# Altium PCB GameBoard_V1I1.PcbDoc (part 18 of 22) (continued)
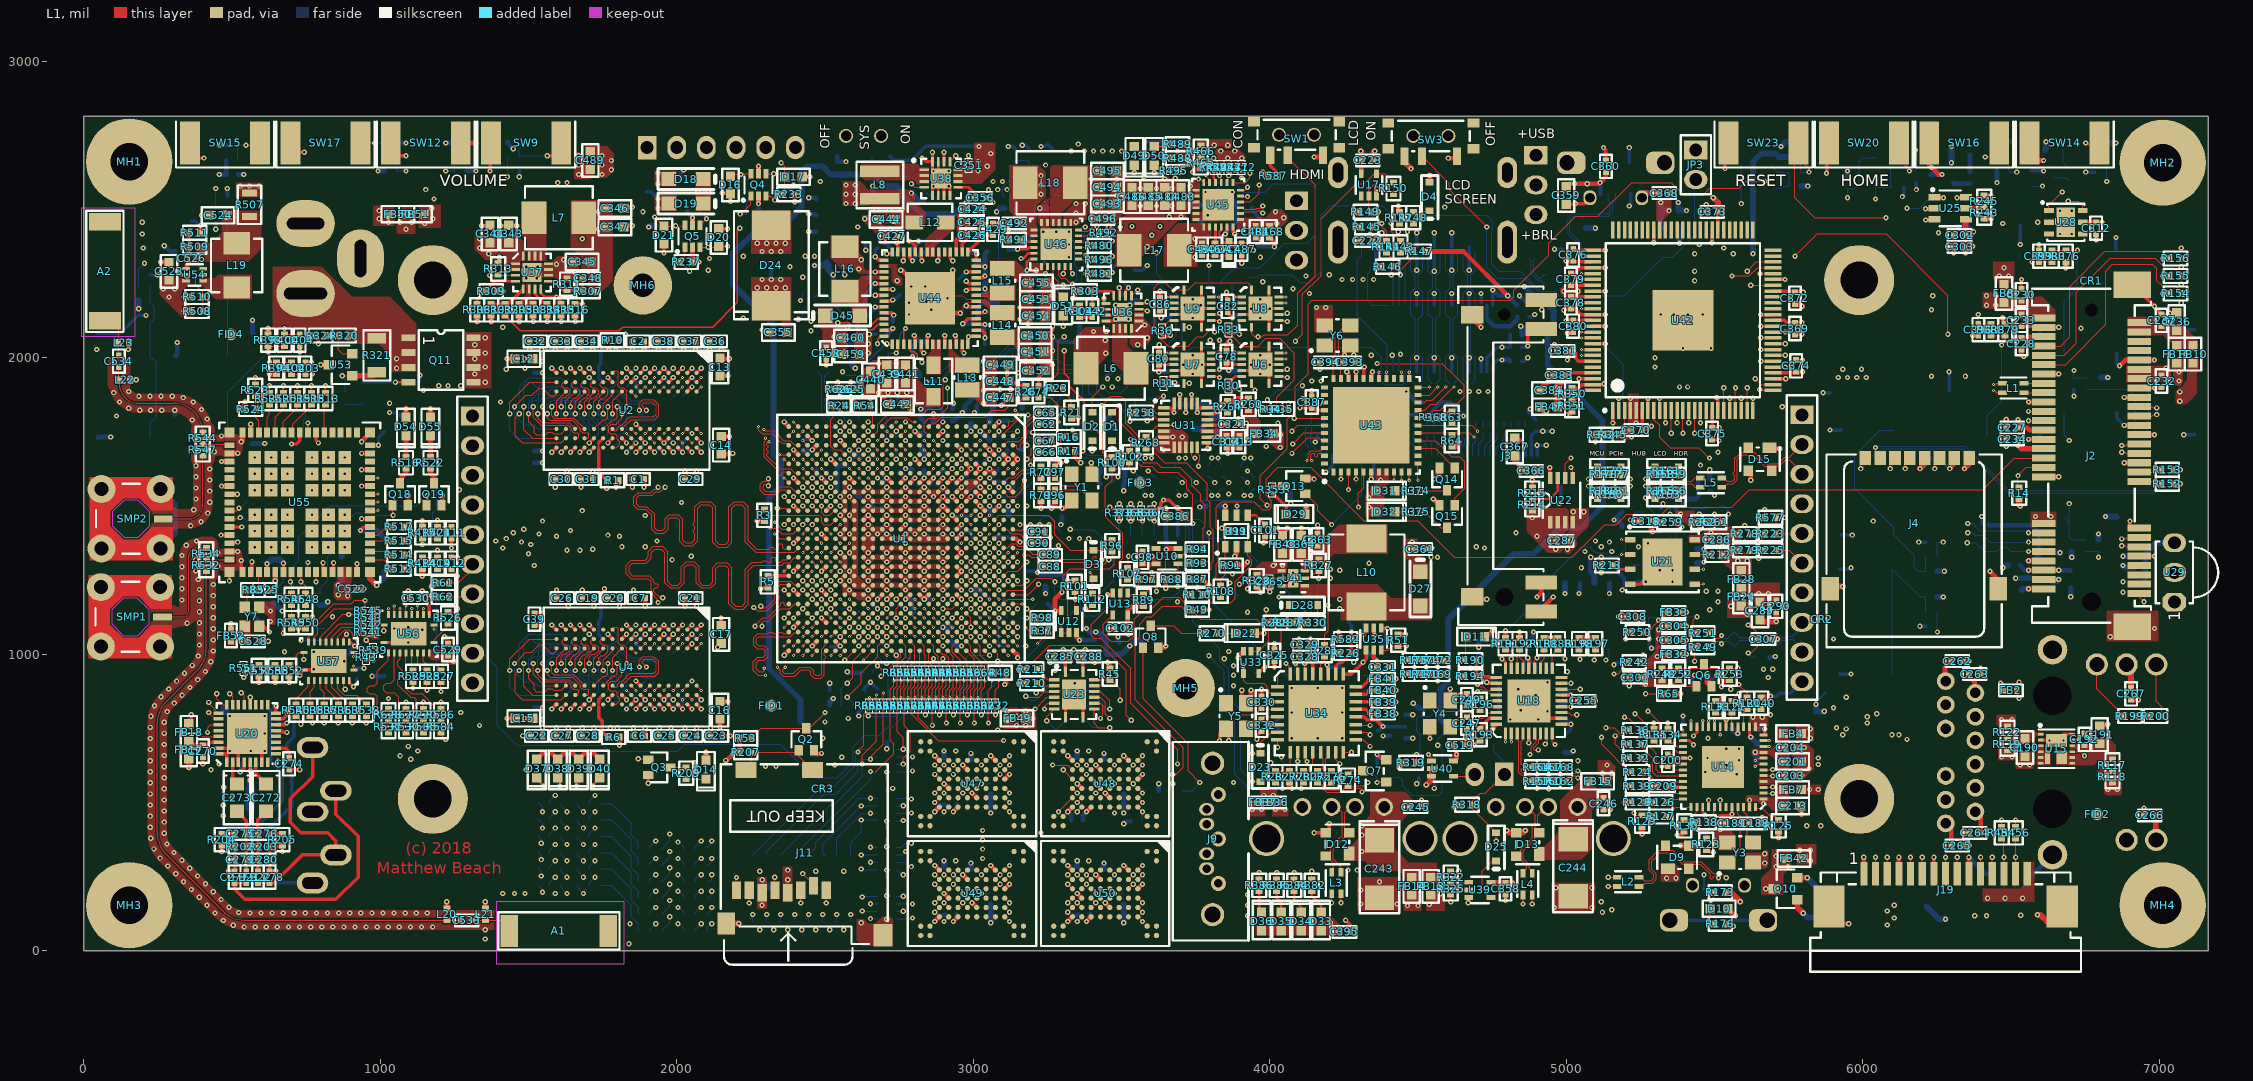
[diagram p0: L1 view]
## Nets (pads, with @x,y where several pads share a name; then routed paths per layer and width w, separated by ;. In a path a pad name is that pad's centre, name@x,y a point inside that pad or via, vN(x,y) a via of type N, cw(c..) or ccw(c..) an arc to the next point about the centre after c; other vN are vias at no path point) (continued)
SD1_CMD_WIFI: R570.1 R600.1 | length 473.4
  L3 w3.15: v1(1629.92,248.03) 1657.48,220.47 1795.28,220.47 1806.1,209.65 1865.16,209.65 1905.51,169.29 v1(1976.38,169.29)
  L12 w3.15: R570.1@1610.24,275.59 1610.24,267.72 v1(1629.92,248.03) ; R600.1@1948.82,122.05 1976.38,149.61 v1(1976.38,169.29)
SD1_DATA0: R591.2 R592.2 U1.A21 | length 1988.2
  L1 w3.15: U1.A21@3133.86,1137.8 v2(3149.61,1153.54)
  L10 w3.15: v1(1929.13,90.55) 1929.13,101.17 2055.12,227.15 2055.12,366.14 2094.49,405.51 2417.32,405.51 2610.24,598.43 2626.5,598.43 2651.11,623.03 2662.92,623.03 2676.18,636.29 2676.18,701.83 2759.84,785.49 2759.84,818.9 2818.9,877.95 3059.06,877.95 3122.05,940.94 3122.05,1065.74 3103.35,1084.44 3103.35,1096.67 3125.98,1119.3 3125.98,1129.92 v2(3149.61,1153.54)
  L12 w3.15: R591.2@1909.45,62.99 R591.2@1909.45,66.93 1909.45,70.87 v1(1929.13,90.55)
SD1_DATA0_BOOT: R221.1 R591.1 | length 226.5
  L12 w3.94: R221.1@1744.09,220.47 1779.53,220.47 1846.46,153.54 1846.46,114.17 1870.08,90.55 R591.1@1870.08,66.93
SD1_DATA0_WIFI: R562.1 R592.1 | length 475.9
  L3 w3.15: v1(1629.92,192.91) 1644.69,178.15 1700.79,178.15 1703.74,181.1 1838.58,181.1 1897.64,122.05 1968.5,122.05 v1(1976.38,114.17)
  L12 w3.15: R562.1@1610.24,220.47 1610.24,212.6 v1(1629.92,192.91) ; R592.1@1948.82,66.93 1976.38,94.49 v1(1976.38,114.17)
SD1_DATA1: R593.2 R594.2 U1.C20 | length 1986.8
  L1 w3.15: v2(3055.12,1153.54) U1.C20@3070.87,1169.29
  L10 w3.15: v1(1929.13,200.79) 1866.14,200.79 1858.27,208.66 1858.27,220.47 1866.14,228.35 1952.76,228.35 2035.43,311.02 2035.43,374.02 2090.55,429.13 2412.71,429.13 2610.39,626.81 2610.39,637.43 2633.86,660.9 2633.86,681.78 2736.22,784.14 2736.22,817.55 2816.31,897.64 3043.31,897.64 3105.32,959.65 3105.32,1060.04 3055.12,1110.23 v2(3055.12,1153.54)
  L12 w3.15: R593.2@1909.45,177.17 1909.45,185.04 v1@1929.13,204.72
SD1_DATA1_BOOT: R230.1 R593.1 | length 226.5
  L12 w3.94: R230.1@1744.09,330.71 1779.53,330.71 1846.46,263.78 1846.46,224.41 1870.08,200.79 R593.1@1870.08,177.17
SD1_DATA1_WIFI: R564.1 R594.1 | length 473.4
  L3 w3.15: v1(1629.92,303.15) 1657.48,275.59 1812.01,275.59 1837.6,250 1895.67,250 1914.37,231.3 1969.49,231.3 v1(1976.38,224.41)
  L12 w3.15: R564.1@1610.24,330.71 1610.24,322.83 v1(1629.92,303.15) ; R594.1@1948.82,177.17 1976.38,204.72 v1(1976.38,224.41)
SD1_DATA2: R595.2 R596.2 U1.E19 | length 1987.7
  L1 w3.15: U1.E19@3007.87,1200.79 v2(3023.62,1185.04)
  L10 w3.15: v1(1929.13,255.91) 1858.27,255.91 1850.39,263.78 1850.39,275.59 1858.27,283.46 1955.5,283.46 2023.62,351.59 2023.62,381.89 2082.68,440.94 2413.39,440.94 2602.52,630.08 2602.52,640.69 2625.98,664.16 2625.98,685.04 2724.41,783.46 2724.41,816.87 2813.05,905.51 3032.69,905.51 3097.44,970.26 3097.44,1056.78 3039.37,1114.85 3039.37,1169.29 v2(3023.62,1185.04)
  L12 w3.15: R595.2@1909.45,232.28 1909.45,240.16 v1@1929.13,259.84
SD1_DATA2_BOOT: R560.1 R595.1 | length 226.5
  L12 w3.94: R560.1@1744.09,385.83 1779.53,385.83 1846.46,318.9 1846.46,279.53 1870.08,255.91 R595.1@1870.08,232.28
SD1_DATA2_WIFI: R566.1 R596.1 | length 473.4
  L3 w3.15: v1(1629.92,358.27) 1657.48,330.71 1830.71,330.71 1874.02,287.4 1968.5,287.4 v1(1976.38,279.53)
  L12 w3.15: R566.1@1610.24,385.83 1610.24,377.95 v1(1629.92,358.27) ; R596.1@1948.82,232.28 1976.38,259.84 v1(1976.38,279.53)
SD1_DATA3: R597.2 R598.2 U1.F18 | length 1987.6
  L1 w3.15: v2(2960.63,1248.03) U1.F18@2976.38,1232.28
  L10 w3.15: v1(1929.13,370.08) 1834.65,370.08 1826.77,377.95 1826.77,389.76 1834.65,397.64 1956.69,397.64 1968.5,409.45 2000,409.45 2062.99,472.44 2402.25,472.44 2584.65,654.84 2584.65,683.07 2606.3,704.72 2615.16,704.72 2692.91,782.48 2692.91,814.96 2814.96,937.01 2968.5,937.01 3043.31,1011.81 3060.25,1011.81 3069.88,1021.44 3069.88,1036.42 3003.94,1102.36 3003.94,1120.86 2976.38,1148.41 2976.38,1221.67 2960.63,1237.41 v2(2960.63,1248.03)
  L12 w3.15: R597.2@1909.45,342.52 1909.45,350.39 v1(1929.13,370.08)
SD1_DATA3_BOOT: R580.1 R597.1 | length 226.5
  L12 w3.94: R580.1@1744.09,496.06 1779.53,496.06 1846.46,429.13 1846.46,389.76 1870.08,366.14 R597.1@1870.08,342.52
SD1_DATA3_WIFI: R568.1 R598.1 | length 475.8
  L3 w3.15: v1(1629.92,468.5) 1661,437.42 1896.24,437.42 1917.32,416.34 1953.74,416.34 v1(1976.38,393.7)
  L12 w3.15: R568.1@1610.24,496.06 1610.24,488.19 v1(1629.92,468.5) ; R598.1@1948.82,342.52 1976.38,370.08 v1(1976.38,393.7)
SD2_ACT: Q3.1 U1.T3 | length 4169.5
  L1 w3.15: v1(1870.08,647.64) 1899.61,647.64 Q3.1@1903.54,643.7 ; U1.T3@2661.42,1704.73 v3(2677.16,1688.98)
  L3 w3.15: v1(1266,1555) 1266,1572.58 1244.09,1594.49 1244.09,1849.04 1253.32,1858.27 1397.64,1858.27 v1(1405.51,1850.39) ; v1(2224.41,2133.86) 2235.24,2144.68 2451,2144.68 2467.52,2128.16 2467.52,2104.33 2492.13,2079.72 2492.13,2040.05 2523.31,2008.86 2578.95,2008.86 2617.13,1970.68 2617.13,1937.22 2603.35,1923.44 2603.35,1911.21 2629.92,1884.63 2629.92,1835.94 2661.42,1804.44 2661.42,1704.72 v4(2665.35,1700.79)
  L10 w3.15: v1(1266,1555) 1243.11,1532.11 1243.11,1458.66 1207.68,1423.23 1207.68,1152.56 1188.98,1133.86 1188.98,1028.91 1043.31,883.24 1043.31,818.9 1082.68,779.53 1227,779.53 1265.38,817.91 1287.87,817.91 1306.57,799.21 1334.65,799.21 1366.26,767.6 1366.26,742.3 1474.71,633.86 1543.31,633.86 1550.2,640.75 1717.36,640.75 1724.25,633.86 1856.3,633.86 v1(1870.08,647.64) ; v1(1405.51,1850.39) 1425.2,1850.39 1437.01,1862.2 1681.1,1862.2 1744.09,1925.2 1744.09,2051.18 1787.4,2094.49 2212.6,2094.49 2224.41,2106.3 v1(2224.41,2133.86)
  L2 w3.15: v4(2665.35,1700.79) v3(2677.16,1688.98)
SD2_BT_EN: R621.1 R624.1 | length 2726.7
  L3 w3.15: v1(838.58,1125.98) 857.59,1125.98 925.2,1193.59 925.2,1240.16 960.63,1275.59 960.63,1346.46 918.31,1388.78 918.31,1630.91 979.33,1691.93 979.33,1711.4 1051.18,1783.25 1051.18,1885.83 1065.75,1900.39 1065.75,1947.64 1133.86,2015.75 1290.35,2015.75 1303.15,2028.54 1336.82,2028.54 1350.39,2042.11 1377.74,2042.11 1442.91,2107.28 1693.9,2107.28 1711.61,2125 2151.27,2125 2173.9,2102.36 2255.91,2102.36 2262.8,2109.25 2343.7,2109.25 2500.19,1952.76 v1(2559.06,1952.76)
  L12 w3.15: R624.1@814.96,1125.98 v1(838.58,1125.98) ; v1(2559.06,1952.76) 2570.87,1940.94 2618.11,1940.94 R621.1@2641.73,1917.32
SD2_CD: Q2.3 R53.1 U1.R6 | length 1290.6
  L1 w3.15: R53.1@2251.97,716.54 2285.43,750 Q2.3@2437.01,750 2446.85,750 v1(2500,803.15) ; U1.R6@2692.91,1610.24 v2(2708.66,1625.98)
  L10 w3.15: v1(2500,803.15) 2521.39,824.54 2529.27,824.54 2550.66,845.94 2550.66,862.2 2565.43,876.97 2573.82,876.97 2625.92,929.07 2625.92,965.69 2703.53,1043.31 2716.54,1043.31 2732.28,1059.06 2732.28,1090.55 2756.89,1115.16 2756.89,1159.66 2756.89,1200.32 2751.97,1205.24 2751.97,1613.48 2739.47,1625.98 v2(2708.66,1625.98)
SD2_CDn: J11.9 J11.10 Q2.1 R207.1 | length 314.8
  L1 w3.15: J11.10@2233.27,609.25 2251.97,627.95 R207.1@2251.97,669.29 2405.51,669.29 Q2.1@2411.42,675.2 2411.42,655.51 J11.9@2457.68,609.25
SD2_CLK: R56.2 R613.2 R614.2 | length 1971.6
  L10 w3.15: v1(2082.68,311.02) 2082.68,312.22 2097.23,326.77 2375.98,326.77 2381.89,332.68 2381.89,366.14 2387.8,372.05 2399.61,372.05 2405.51,366.14 2405.51,312.99 2411.42,307.09 2423.23,307.09 2461.18,345.04 2479.58,345.04 2487.93,353.39 2487.93,361.74 2487.83,361.84 2450.33,399.34 2450.33,407.7 2458.68,416.05 2467.03,416.05 2504.53,378.55 2504.63,378.45 2512.98,378.45 2521.33,386.8 2521.33,395.15 2521.23,395.25 2483.73,432.75 2483.73,441.1 2492.08,449.45 2500.44,449.45 2537.94,411.95 2538.04,411.85 2546.39,411.85 2554.74,420.2 2554.74,428.56 2554.76,460.27 2554.76,499.64 2618.11,562.99 2657.48,562.99 2676.18,581.69 2676.18,614.02 2693.9,631.74 2693.9,687.22 2704.72,698.04 2709.86,698.04 2787.4,775.59 2787.4,814.96 2818.9,846.46 3070.87,846.46 3082.68,858.27 3102.36,858.27 3129.92,885.83 3129.92,916.34 3145.67,932.09 3157.69,932.09 3177.17,951.56 v2(3177.17,1027.56)
  L12 w3.15: R613.2@2062.99,287.4 2062.99,295.28 v1@2082.68,314.96 ; R56.2@3153.54,1027.56 v2(3177.17,1027.56)
SD2_CLK_BOOT: R613.1 R619.1 | length 543.6
  L3 w3.15: v1(1685.04,413.39) 1700.79,397.64 1864.17,397.64 1907.48,354.33 1981.51,354.33 2010.05,325.79 2103.35,325.79 v1(2118.11,311.02)
  L12 w3.15: R619.1@1665.35,440.95 1665.35,433.07 v1(1685.04,413.39) ; R613.1@2102.36,287.4 2106.3,287.4 2118.11,299.21 v1(2118.11,311.02)
SD2_CLK_R: R56.1 U1.C21 | length 137.4
  L1 w3.15: U1.C21@3070.87,1137.8 v2(3086.61,1122.05)
  L12 w3.15: v2(3086.61,1122.05) 3086.61,1039.37 3098.43,1027.56 R56.1@3114.17,1027.56
SD2_CLK_WIFI: R573.1 R614.1 | length 572.8
  L3 w3.15: v1(1547.24,413.39) 1586.61,374.02 1845.47,374.02 1884.84,334.65 1952.76,334.65 1968.5,318.9 1996.06,318.9 v1(2003.94,311.02)
  L12 w3.15: R573.1@1531.5,444.88 1547.24,429.13 v1(1547.24,413.39) ; v1@2003.94,314.96 2023.62,295.28 R614.1@2023.62,287.4
SD2_CMD: R52.1 R55.2 R611.2 R612.2 | length 1908.7
  L10 w3.15: v1(2082.68,145.67) 2098.43,161.42 2129.82,161.42 2136.71,154.53 2180.02,154.53 2187.99,162.5 2199.8,162.5 2205.71,156.6 2205.71,141.73 2211.61,135.83 2223.42,135.83 2229.33,141.73 2229.33,166.35 2249,186.02 2289.58,186.02 2357.1,253.54 2376.78,253.54 2398.83,275.59 2452.76,275.59 2607.28,430.12 2607.28,452.55 2646.86,492.13 2657.48,492.13 2673.23,507.87 2673.23,524.14 2723.43,574.34 2723.43,636.81 2740.68,654.06 2740.68,688.12 2815.94,763.39 2815.94,804.65 2830.19,818.9 3083.39,818.9 3095.2,830.71 3117.59,830.71 3177.17,890.28 3177.17,908.77 3208.66,940.27 3208.66,1071.54 3181.1,1099.1 v2(3181.1,1122.05)
  L12 w3.15: R611.2@2062.99,122.05 2062.99,129.92 v1@2082.68,149.61 ; R55.2@3153.54,1122.05 v2(3181.1,1122.05) R52.1@3213.07,1122.05
SD2_CMD_BOOT: R611.1 R617.1 | length 541.3
  L3 w3.15: v1(1685.04,248.03) 1700.79,232.28 1803.15,232.28 1816.93,218.5 1872.05,218.5 1906.5,184.06 1982.49,184.06 1997.26,169.29 2094.49,169.29 v1(2118.11,145.67)
  L12 w3.15: R617.1@1665.35,275.59 1665.35,267.72 v1(1685.04,248.03) ; R611.1@2102.36,122.05 2118.11,137.8 v1(2118.11,145.67)
SD2_CMD_R: R55.1 U1.F19 | length 195.4
  L1 w3.15: U1.F19@2976.38,1200.79 v2(2992.13,1185.04)
  L12 w3.15: v2(2992.13,1185.04) 3007.87,1169.29 3007.87,1137.8 3015.75,1129.92 3062.99,1129.92 3070.87,1137.8 3098.43,1137.8 R55.1@3114.17,1122.05
SD2_CMD_WIFI: R571.1 R612.1 | length 572.8
  L3 w3.15: v1(1543.31,251.97) 1584.65,210.63 1702.76,210.63 1712.6,200.79 1853.66,200.79 1894.01,160.43 1935.25,160.43 1950.01,145.67 v1(2003.94,145.67)
  L12 w3.15: R571.1@1531.5,279.53 1543.31,267.72 v1(1543.31,251.97) ; v1@2003.94,149.61 2023.62,129.92 R612.1@2023.62,122.05
SD2_DATA0: R603.2 R604.2 U1.A22 | length 2120
  L1 w3.15: U1.A22@3133.86,1106.3 v2(3149.61,1090.55)
  L10 w3.15: v1(2082.68,90.55) 2098.43,106.3 2216.54,106.3 2278.54,168.31 2298.23,168.31 2340.55,210.63 2421.26,210.63 2429.13,218.5 2429.13,232.28 2437.01,240.16 2452.76,240.16 2460.63,232.28 2460.63,216.54 2468.5,208.66 2507.03,208.66 2546.82,248.45 2546.82,264.03 2538.95,271.91 2506.78,271.91 2499.58,279.1 2499.58,290.92 2507.45,298.79 2523.2,298.79 2636.81,412.4 2636.81,468.01 2647.43,478.62 2663.66,478.62 2712.6,527.56 2712.6,552.38 2732.28,572.06 2732.28,632.57 2749.02,649.3 2749.02,685.33 2823.82,760.13 2823.82,801.39 2833.45,811.02 3087.6,811.02 3099.41,822.83 3120.85,822.83 3185.04,887.02 3185.04,905.51 3216.54,937.01 3216.54,1074.8 3196.85,1094.49 3196.85,1129.92 3188.98,1137.8 3173.23,1137.8 3165.35,1129.92 3165.35,1106.3 v2(3149.61,1090.55)
  L12 w3.15: R603.2@2062.99,62.99 R603.2@2062.99,66.93 2062.99,70.87 v1(2082.68,90.55)
SD2_DATA0_BOOT: R229.1 R603.1 | length 543.6
  L3 w3.15: v1(1685.04,192.91) 1846.46,192.91 1908.46,130.91 2077.76,130.91 v1(2118.11,90.55)
  L12 w3.15: R229.1@1665.35,220.47 1665.35,212.6 v1(1685.04,192.91) ; R603.1@2102.36,66.93 2102.36,78.74 2114.17,90.55 v1(2118.11,90.55)
SD2_DATA0_WIFI: R563.1 R604.1 | length 566.6
  L3 w3.15: v1(1547.24,196.85) 1573.82,170.28 1837.6,170.28 1893.7,114.17 1944.88,114.17 1968.5,90.55 v1(2003.94,90.55)
  L12 w3.15: R563.1@1531.5,220.47 1547.24,204.72 v1(1547.24,196.85) ; v1@2003.94,94.49 2023.62,74.8 R604.1@2023.62,66.93
SD2_DATA1: R605.2 R606.2 U1.E20 | length 2121.3
  L1 w3.15: v2(2992.13,1153.54) U1.E20@3007.87,1169.29
  L10 w3.15: v1(2082.68,200.79) 2097.44,215.55 2285.64,215.55 2311.02,240.93 2311.02,259.84 2338.58,287.4 2448.82,287.4 2594.49,433.07 2594.49,496.06 2633.86,535.43 2665.35,535.43 2693.9,563.98 2693.9,608.48 2715.55,630.13 2715.55,644.68 2732.8,661.94 2732.8,691.39 2808.07,766.65 2808.07,807.91 2826.93,826.77 3080.13,826.77 3091.94,838.58 3111.43,838.58 3169.29,896.44 3169.29,912.03 3200.79,943.53 3200.79,1059.06 3185.04,1074.8 3144.48,1074.8 3134.84,1084.44 3134.84,1115.16 3165.35,1145.67 3165.35,1161.3 3158.34,1168.31 3063.98,1168.31 3031.5,1200.79 3015.75,1200.79 3007.87,1192.91 3007.87,1169.29 v2(2992.13,1153.54)
  L12 w3.15: R605.2@2062.99,177.17 2062.99,185.04 v1@2082.68,204.72
SD2_DATA1_BOOT: R559.1 R605.1 | length 543.6
  L3 w3.15: v1(1685.04,303.15) 1700.79,287.4 1814.96,287.4 1842.52,259.84 1904.32,259.84 1924.99,239.17 1982.49,239.17 2006.12,215.55 2103.35,215.55 v1(2118.11,200.79)
  L12 w3.15: R559.1@1665.35,330.71 1665.35,322.83 v1(1685.04,303.15) ; R605.1@2102.36,177.17 2106.3,177.17 2118.11,188.98 v1(2118.11,200.79)
SD2_DATA1_WIFI: R565.1 R606.1 | length 573.2
  L3 w3.15: v1(1543.31,307.09) 1586.92,263.47 1586.92,262.8 1806.1,262.8 1832.68,236.22 1885.83,236.22 1898.62,223.42 1953.74,223.42 1976.38,200.79 v1(2003.94,200.79)
  L12 w3.15: R565.1@1531.5,334.65 1543.31,322.83 v1(1543.31,307.09) ; v1@2003.94,204.72 2023.62,185.04 R606.1@2023.62,177.17
SD2_DATA2: R607.2 R608.2 U1.A23 | length 2117.3
  L1 w3.15: U1.A23@3133.86,1074.8 v2(3149.61,1059.06)
  L10 w3.15: v1(2082.68,255.91) 2098.43,271.65 2104.33,271.65 2110.24,277.56 2110.24,290.36 2116.14,296.26 2127.95,296.26 2133.86,290.36 2133.86,229.33 2139.76,223.42 2151.57,223.42 2157.48,229.33 2157.48,312.99 2163.39,318.9 2175.2,318.9 2181.1,312.99 2181.1,277.56 2187.01,271.65 2197.62,271.65 2203.53,277.56 2203.53,312.99 2209.44,318.9 2221.25,318.9 2227.15,312.99 2227.15,229.33 2233.06,223.42 2244.87,223.42 2250.77,229.33 2250.77,265.75 2284.24,299.21 2444.88,299.21 2578.74,433.07 2578.74,503.94 2625.98,551.18 2665.35,551.18 2686.02,571.85 2686.02,611.74 2707.68,633.39 2707.68,651.88 2724.41,668.62 2724.41,694.13 2800.2,769.92 2800.2,811.18 2823.67,834.65 3076.87,834.65 3088.68,846.46 3108.17,846.46 3138.78,877.07 3138.78,907.69 3147.43,916.34 3160.43,916.34 3192.91,948.82 3192.91,1047.24 3181.1,1059.06 v2(3149.61,1059.06)
  L12 w3.15: R607.2@2062.99,232.28 2062.99,240.16 v1@2082.68,259.84
SD2_DATA2_BOOT: R561.1 R607.1 | length 545.9
  L3 w3.15: v1(1685.04,358.27) 1700.79,342.52 1835.63,342.52 1881.89,296.26 1984.46,296.26 2010.05,270.67 2103.35,270.67 v1(2118.11,255.91)
  L12 w3.15: R561.1@1665.35,385.83 1665.35,377.95 v1(1685.04,358.27) ; R607.1@2102.36,232.28 2110.24,232.28 2118.11,240.16 v1(2118.11,255.91)
SD2_DATA2_WIFI: R567.1 R608.1 | length 572.8
  L3 w3.15: v1(1543.31,362.2) 1586.61,318.9 1822.83,318.9 1862.2,279.53 1944.88,279.53 1968.5,255.91 v1(2003.94,255.91)
  L12 w3.15: R567.1@1531.5,389.76 1543.31,377.95 v1(1543.31,362.2) ; v1@2003.94,259.84 2023.62,240.16 R608.1@2023.62,232.28
SD2_DATA3: R609.2 R610.2 U1.B22 | length 2122.2
  L1 w3.15: U1.B22@3102.36,1106.3 v2(3118.11,1090.55)
  L10 w3.15: v1(2082.68,370.08) 2097.23,370.08 2124.79,397.64 2142.51,397.64 2148.41,391.73 2148.41,343.14 2154.32,337.23 2166.13,337.23 2172.03,343.14 2172.03,389.15 2177.94,395.05 2189.75,395.05 2195.66,389.15 2195.66,343.14 2201.56,337.23 2213.37,337.23 2219.28,343.14 2219.28,389.15 2225.18,395.05 2236.99,395.05 2242.9,389.15 2242.9,343.14 2248.81,337.23 2260.62,337.23 2266.52,343.14 2266.52,389.15 2272.43,395.05 2284.24,395.05 2290.14,389.15 2290.14,343.14 2296.05,337.23 2307.86,337.23 2313.77,343.14 2313.77,389.15 2319.67,395.05 2331.48,395.05 2337.39,389.15 2337.39,343.14 2343.29,337.23 2355.1,337.23 2361.01,343.14 2361.01,379.92 2366.92,385.83 2417.32,385.83 2606.3,574.8 2644.97,574.8 2668.31,598.14 2668.31,617.28 2686.02,635 2686.02,693.9 2775.59,783.46 2775.59,818.9 2814.96,858.27 3062.99,858.27 3078.74,874.02 3103.56,874.02 3121.06,891.52 3121.06,924.21 3134.98,938.13 3134.98,952.68 3164.37,982.07 3164.37,1019.48 3134.84,1049 3134.84,1073.3 3118.11,1090.03 v2(3118.11,1090.55)
  L12 w3.15: R609.2@2062.99,342.52 2062.99,350.39 v1(2082.68,370.08)
SD2_DATA3_BOOT: R609.1 R615.1 | length 539.7
  L3 w3.15: v1(1685.04,468.5) 1708.25,445.3 2042.89,445.3 v1(2118.11,370.08)
  L12 w3.15: R615.1@1665.35,496.06 1665.35,488.19 v1(1685.04,468.5) ; R609.1@2102.36,346.46 2118.11,362.2 v1(2118.11,370.08)
SD2_DATA3_WIFI: R569.1 R610.1 | length 572.8
  L3 w3.15: v1(1547.24,468.5) 1586.2,429.55 1879.51,429.55 1906.5,402.56 1938.77,402.56 1967.31,374.02 1996.06,374.02 v1(2003.94,366.14)
  L12 w3.15: R569.1@1531.5,500 1547.24,484.25 v1(1547.24,468.5) ; v1@2003.94,370.08 2023.62,350.39 R610.1@2023.62,342.52
SD2_WP: R54.1 R620.2 R621.2 U1.T1 | length 164.3
  L1 w3.15: v1(2653.54,1862.2) R54.1@2653.54,1838.58 2653.54,1818.22 2661.42,1810.35 U1.T1@2661.42,1767.72
  L12 w3.15: v1(2653.54,1862.2) 2653.54,1889.76 R620.2@2681.1,1917.32
SD2_WP_BOOT: R208.2 R620.1 R622.1 | length 98.7
  L12 w3.15: R620.1@2720.47,1917.32 2771.65,1917.32 2791.34,1897.64 R208.2@2811.02,1897.64
SEL: SW1.2 U6.7 U7.7 U8.7 U9.7 | length 1648.4
  L1 w3.15: U7.7@3710.63,1913.39 v1(3728.35,1913.39) ; U9.7@3710.63,2102.36 v1(3728.35,2102.36) ; U6.7@3938.98,1913.39 3938.98,1902.35 v1(3950.58,1890.75) ; U8.7@3938.98,2102.36 3938.98,2080.71 3948.82,2070.87 v1(3960.63,2070.87) 3973.43,2070.87 3979.33,2076.77 4061.02,2076.77 4094.49,2110.24 4094.49,2217.21 4153.54,2276.27 4153.54,2582.68 4061.02,2675.2 SW1.2@4061.02,2683.07
  L10 w3.15: v1(3950.58,1890.75) 3937.78,1877.95 3889.76,1877.95 3854.33,1913.39 v1(3728.35,1913.39) 3708.66,1933.07 3708.66,1952.76 3692.91,1968.5 3692.91,2066.93 v1(3728.35,2102.36) 3751.97,2102.36 3775.59,2078.74 3775.59,2055.12 3799.21,2031.5 3921.26,2031.5 v1(3960.63,2070.87)
SEL_L1: C415.1 R424.1 U43.27 | length 3408.4
  L1 w3.15: U43.27@4368.11,1929.13 v3(4368.11,1950.79)
  L3 w3.15: v4(4368.11,1933.07) 4377,1933.07 4392.75,1948.82 4491.45,1948.82 4540.27,1900 4586.02,1900 4591.02,1905 4591.02,1921.02 4617.83,1947.83 4761.9,1947.83 4768.79,1940.94 5031.29,1940.94 5037.19,1946.85 5074.71,1946.85 5128.84,2000.98 5151.05,2000.98 5268.18,2118.11 5460.32,2118.11 5545.95,2203.74 5813.92,2203.74 5907.42,2110.24 6110.24,2110.24 6208.66,2208.66 v1(6236.22,2208.66)
  L10 w3.15: v1(6236.22,2208.66) 6261.87,2183.01 6261.87,2057.03 6308.07,2010.83 6308.07,1130.91 v1(6251.97,1074.8)
  L2 w3.15: v4(4368.11,1933.07) v3(4368.11,1950.79)
  L12 w3.15: v1(6251.97,1074.8) C415.1@6251.97,1094.49 R424.1@6251.97,1141.73
SEL_L2: C414.1 R428.1 U43.26 | length 2998.8
  L1 w3.15: U43.26@4393.7,1929.13 v3(4393.7,1950.79)
  L3 w3.15: v4(4393.7,1933.07) 4401.57,1940.94 4488.19,1940.94 4539.13,1890 4606.54,1890 4621.45,1904.91 4621.45,1918.28 4635.26,1932.09 4755.38,1932.09 4762.27,1925.2 4898.2,1925.2 4924.77,1898.62 5048.75,1898.62 5135.37,1985.24 5157.57,1985.24 5274.7,2102.36 5515.75,2102.36 5601.38,2187.99 5807.4,2187.99 5906.19,2089.2 6131.27,2089.2 6203.49,2161.42 v1(6232.28,2161.42)
  L10 w3.15: v1(6232.28,2161.42) 6232.28,2043.31 6271.65,2003.94 v1(6271.65,1377.95)
  L2 w3.15: v4(4393.7,1933.07) v3(4393.7,1950.79)
  L12 w3.15: R428.1@6251.97,1330.71 C414.1@6251.97,1377.95 v1(6271.65,1377.95)
SEL_R1: C412.1 R419.1 U43.23 | length 7174.5
  L1 w3.15: R419.1@1192.91,1287.4 C412.1@1240.16,1287.4 1259.84,1267.72 v1(1259.84,1263.78) ; U43.23@4470.47,1929.13 v3(4470.47,1950.79)
  L3 w3.15: v1(1153.54,2566.93) 1496.06,2566.93 1515.75,2547.24 1807.09,2547.24 1826.77,2566.93 1944.88,2566.93 1976.38,2598.43 2191.56,2598.43 2211.25,2578.74 2347.19,2578.74 2365.89,2560.04 2404.43,2560.04 2419.19,2574.8 2530.98,2574.8 2558.54,2602.36 2688.98,2602.36 2750.98,2540.35 2797.45,2540.35 2803.36,2546.26 3161.21,2546.26 3218.29,2489.17 3237.98,2489.17 3316.72,2410.43 3337.6,2410.43 3346.46,2401.57 3429.13,2401.57 3451.77,2424.21 3547.24,2424.21 3560.04,2437.01 3605.31,2437.01 3614.17,2428.15 3699.8,2428.15 3892.72,2621.06 3913.18,2621.06 3926.96,2607.28 3984.25,2607.28 4002.95,2625.98 4125.98,2625.98 4200.79,2700.79 4271.14,2700.79 4310.51,2661.42 4370.6,2661.42 4408.98,2623.03 4482.49,2623.03 4493.32,2633.86 4625.98,2633.86 4720.47,2539.37 4947.83,2539.37 4975.39,2511.81 4975.39,2485.24 5059.06,2401.57 5137.8,2401.57 5185.04,2354.33 5185.04,2068.38 5141.27,2024.61 5119.06,2024.61 5064.93,1970.47 5027.41,1970.47 5021.5,1964.57 4778.58,1964.57 4771.69,1971.46 4500,1971.46 4497.05,1968.5 v4(4470.47,1968.5) ; v1(1196.85,1905.51) 1196.85,1897.64 1149.61,1850.39 1149.61,1811.02 1180.83,1779.8 1180.83,1566.93 1192.91,1554.84 1192.91,1481.57 1178.15,1466.81 1178.15,1424.21 1216.54,1385.83 1216.54,1307.09 v1(1259.84,1263.78)
  L10 w3.15: v1(1153.54,2566.93) 1153.54,2502.74 1167.11,2489.17 1177.38,2489.17 1330.71,2335.84 1330.71,2177.17 1196.85,2043.31 v1(1196.85,1905.51)
  L2 w3.15: v3(4470.47,1950.79) v4(4470.47,1968.5)
SEL_R2: C411.1 R421.1 U43.24 | length 6799.4
  L1 w3.15: v1(1192.91,1452.76) R421.1@1192.91,1429.13 C411.1@1240.16,1429.13 ; U43.24@4444.88,1929.13 v3(4444.88,1950.79)
  L3 w3.15: v1(1181.1,2535.43) 1822.83,2535.43 1842.52,2555.12 1965.55,2555.12 1981.3,2570.87 2024.3,2570.87 2042.01,2588.58 2190.27,2588.58 2207.99,2570.87 2343.93,2570.87 2362.63,2552.17 2407.69,2552.17 2422.45,2566.93 2652.35,2566.93 2655.3,2563.98 2701.83,2563.98 2745.14,2520.67 2875,2520.67 2919.29,2476.38 3207.47,2476.38 3286.21,2397.64 3329.72,2397.64 3338.79,2388.57 3427.26,2388.57 3455.03,2416.34 3512.8,2416.34 3530.51,2398.62 3686.02,2398.62 3744.09,2456.69 3807.09,2456.69 3889.76,2539.37 3889.76,2560.25 3928.92,2599.41 3987.51,2599.41 4002.28,2614.17 4137.8,2614.17 4203.74,2548.23 4304.13,2548.23 4342.52,2586.61 4645.67,2586.61 4704.72,2527.56 4937.01,2527.56 4960.63,2503.94 4960.63,2480.99 5059.73,2381.89 5133.08,2381.89 5169.29,2345.68 5169.29,2063.77 5138.01,2032.48 5115.8,2032.48 5061.66,1978.35 5024.15,1978.35 5018.24,1972.44 4781.84,1972.44 4774.95,1979.33 4500.67,1979.33 4495.75,1984.25 4460.63,1984.25 v4(4444.88,1968.5) ; v1(1192.91,1452.76) 1223.43,1483.27 1223.43,1541.55 1196.85,1568.12 1196.85,1874.02 v1(1228.35,1905.51)
  L10 w3.15: v1(1181.1,2535.43) 1212.74,2503.8 1212.74,2491.99 1319.88,2384.84 1340.76,2384.84 1349.41,2376.19 1349.41,2165.56 1311.02,2127.18 1311.02,2110.24 1228.35,2027.56 v1(1228.35,1905.51)
  L2 w3.15: v3(4444.88,1950.79) v4(4444.88,1968.5)
SENSE_1V5: R90.1 R95.2 U11.5 | length 114.9
  L1 w3.15: U11.5@3887.8,1468.5 3889.76,1470.47 v1(3889.76,1500)
  L12 w3.15: R90.1@3870.08,1464.57 3889.76,1484.25 v1@3889.76,1492.13 ; v1(3889.76,1500) v1@3889.76,1492.13 ; R95.2@3917.32,1464.57 v1@3889.76,1492.13
SLOW_CLK: R525.1 U57.1 | length 417.1
  L1 w3.15: R525.1@629.92,1216.54 637.8,1216.54 v1(669.29,1185.04) ; v3(909.45,992.13) 911.42,994.09 U57.1@911.42,1005.91
  L3 w3.15: v1(669.29,1185.04) 688.98,1165.35 785.43,1165.35 809.05,1141.73 809.05,1090.55 v4(895.67,1003.94)
  L2 w3.15: v4(895.67,1003.94) 897.64,1003.94 v3(909.45,992.13)
SPLIT: C307.1 R241.1 R244.2 R246.2 | length 250.4
  L1 w3.15: v1(5614.17,1003.94) 5622.05,1003.94 5645.67,1027.56 5645.67,1047.24 5645.67,1070.87 5618.11,1098.43 v1(5614.17,1098.43)
  L12 w3.15: v1(5614.17,1003.94) 5625.98,992.13 R241.1@5641.73,992.13 ; v1(5614.17,1098.43) 5625.98,1110.24 R246.2@5641.73,1110.24 5677.17,1145.67 R244.2@5677.17,1153.54
SPLIT_R: R244.1 U26.5 | length 86.7
  L12 w3.15: U26.5@5566.93,1126.18 5566.93,1133.86 5586.61,1153.54 R244.1@5637.8,1153.54
SRC_BOOT_CFG_00: R642.1 U1.L20 | length 394.6
  L1 w3.15: R642.1@2767.72,837.2 2767.72,881.89 2779.53,893.7 v3(2779.53,909.45) ; v3(2803.15,1185.04) U1.L20@2818.9,1169.29
  L3 w3.15: v4(2779.53,930.51) 2811.02,962.01 2811.02,1169.29 v4(2814.96,1173.23)
  L2 w3.15: v3(2779.53,909.45) v4(2779.53,930.51) ; v3(2803.15,1185.04) v4(2814.96,1173.23)
SRC_BOOT_CFG_01: R643.1 U1.J25 | length 87.6
  L1 w3.15: U1.J25@2881.89,1011.81 2894.69,999.02 2903.75,999.02 2917.32,985.45 2917.32,968.5 2909.45,960.63 R643.1@2909.45,947.44
SRC_BOOT_CFG_02: R644.1 U1.L21 | length 328.3
  L1 w3.15: U1.L21@2818.9,1137.8 v3(2834.65,1122.05) ; R644.1@2838.58,837.2 2838.58,881.89 2850.39,893.7 v3(2850.39,909.45)
  L3 w3.15: v4(2846.46,1110.24) 2834.65,1098.43 2834.65,1022.95 2834.65,969.85 2834.65,957.24 2850.39,941.5 v4(2850.39,930.51)
  L2 w3.15: v3(2834.65,1122.05) v4(2846.46,1110.24) ; v3(2850.39,909.45) v4(2850.39,930.51)
SRC_BOOT_CFG_03: R645.1 U1.K24 | length 110.5
  L1 w3.15: U1.K24@2850.39,1043.31 2866.14,1027.56 2866.14,1007.18 2881.89,991.43 2881.89,972.44 2885.83,968.5 R645.1@2885.83,947.44
SRC_BOOT_CFG_04: R646.1 U1.L22 | length 313.1
  L1 w3.15: U1.L22@2818.9,1106.3 v3(2834.65,1090.55) ; R646.1@2885.83,837.2 2885.83,881.89 2897.64,893.7 v3(2897.64,909.45)
  L3 w3.15: v4(2846.46,1078.74) 2858.27,1066.93 2858.27,1003.94 2850.39,996.06 2850.39,977.76 v4(2897.64,930.51)
  L2 w3.15: v3(2834.65,1090.55) v4(2846.46,1078.74) ; v3(2897.64,909.45) v4(2897.64,930.51)
SRC_BOOT_CFG_05: R647.1 U1.L23 | length 268.6
  L1 w3.15: U1.L23@2818.9,1074.8 v3(2834.65,1059.06) ; R647.1@2862.2,837.2 2862.2,881.89 2874.02,893.7 v3(2874.02,909.45)
  L3 w3.15: v4(2846.46,1047.24) 2846.46,1023.62 2842.52,1019.68 2842.52,962.01 v4(2874.02,930.51)
  L2 w3.15: v3(2834.65,1059.06) v4(2846.46,1047.24) ; v3(2874.02,909.45) v4(2874.02,930.51)
SRC_BOOT_CFG_06: R648.1 U1.K25 | length 69.3
  L1 w3.15: U1.K25@2850.39,1011.81 2850.39,972.88 2862.2,961.07 R648.1@2862.2,947.44
SRC_BOOT_CFG_07: R649.1 U1.L25 | length 66
  L1 w3.15: R649.1@2814.96,947.44 2814.96,960.63 2818.9,964.57 U1.L25@2818.9,1011.81
SRC_BOOT_CFG_08: R650.1 U1.L24 | length 104
  L1 w3.15: U1.L24@2818.9,1043.31 2834.65,1027.56 2834.65,1000 2838.58,996.06 R650.1@2838.58,947.44
SRC_BOOT_CFG_09: R651.1 U1.M21 | length 396.1
  L1 w3.15: R651.1@2673.23,837.2 v3(2673.23,862.2) ; U1.M21@2787.4,1137.8 v3(2803.15,1122.05)
  L3 w3.15: v4(2673.23,883.27) 2691.54,901.57 2697.37,901.57 2712.6,916.8 2712.6,938.67 2733.92,959.98 2745.89,959.98 2771.65,985.75 2771.65,1069.67 2756.5,1084.83 2756.5,1096.27 2765.54,1105.32 2786.42,1105.32 v4(2791.34,1110.24)
  L2 w3.15: v3(2673.23,862.2) v4(2673.23,883.27) ; v4(2791.34,1110.24) v3(2803.15,1122.05)
SRC_BOOT_CFG_10: R652.1 U1.M22 | length 326.7
  L1 w3.15: R652.1@2696.85,837.2 v3(2696.85,868.8) ; U1.M22@2787.4,1106.3 v3(2803.15,1090.55)
  L3 w3.15: v4(2696.85,889.76) 2720.47,913.39 2720.47,935.4 2733.89,948.82 2745.86,948.82 2779.53,982.49 2779.53,1066.93 v4(2791.34,1078.74)
  L2 w3.15: v3(2696.85,868.8) v4(2696.85,889.76) ; v4(2791.34,1078.74) v3(2803.15,1090.55)
SRC_BOOT_CFG_11: R653.1 U1.M20 | length 399.6
  L1 w3.15: R653.1@2744.09,837.2 2744.09,881.89 2755.91,893.7 v3(2755.91,909.45) ; U1.M20@2787.4,1169.29 v3(2803.15,1153.54)
  L3 w3.15: v4(2755.91,930.51) 2761.22,930.51 2803.15,972.44 2803.15,1139.76 2791.34,1151.57 v4(2791.34,1165.35)
  L2 w3.15: v3(2755.91,909.45) v4(2755.91,930.51) ; v4(2791.34,1165.35) v3(2803.15,1153.54)